# Altium PCB RevA2.PcbDoc (part 2 of 6) (continued)
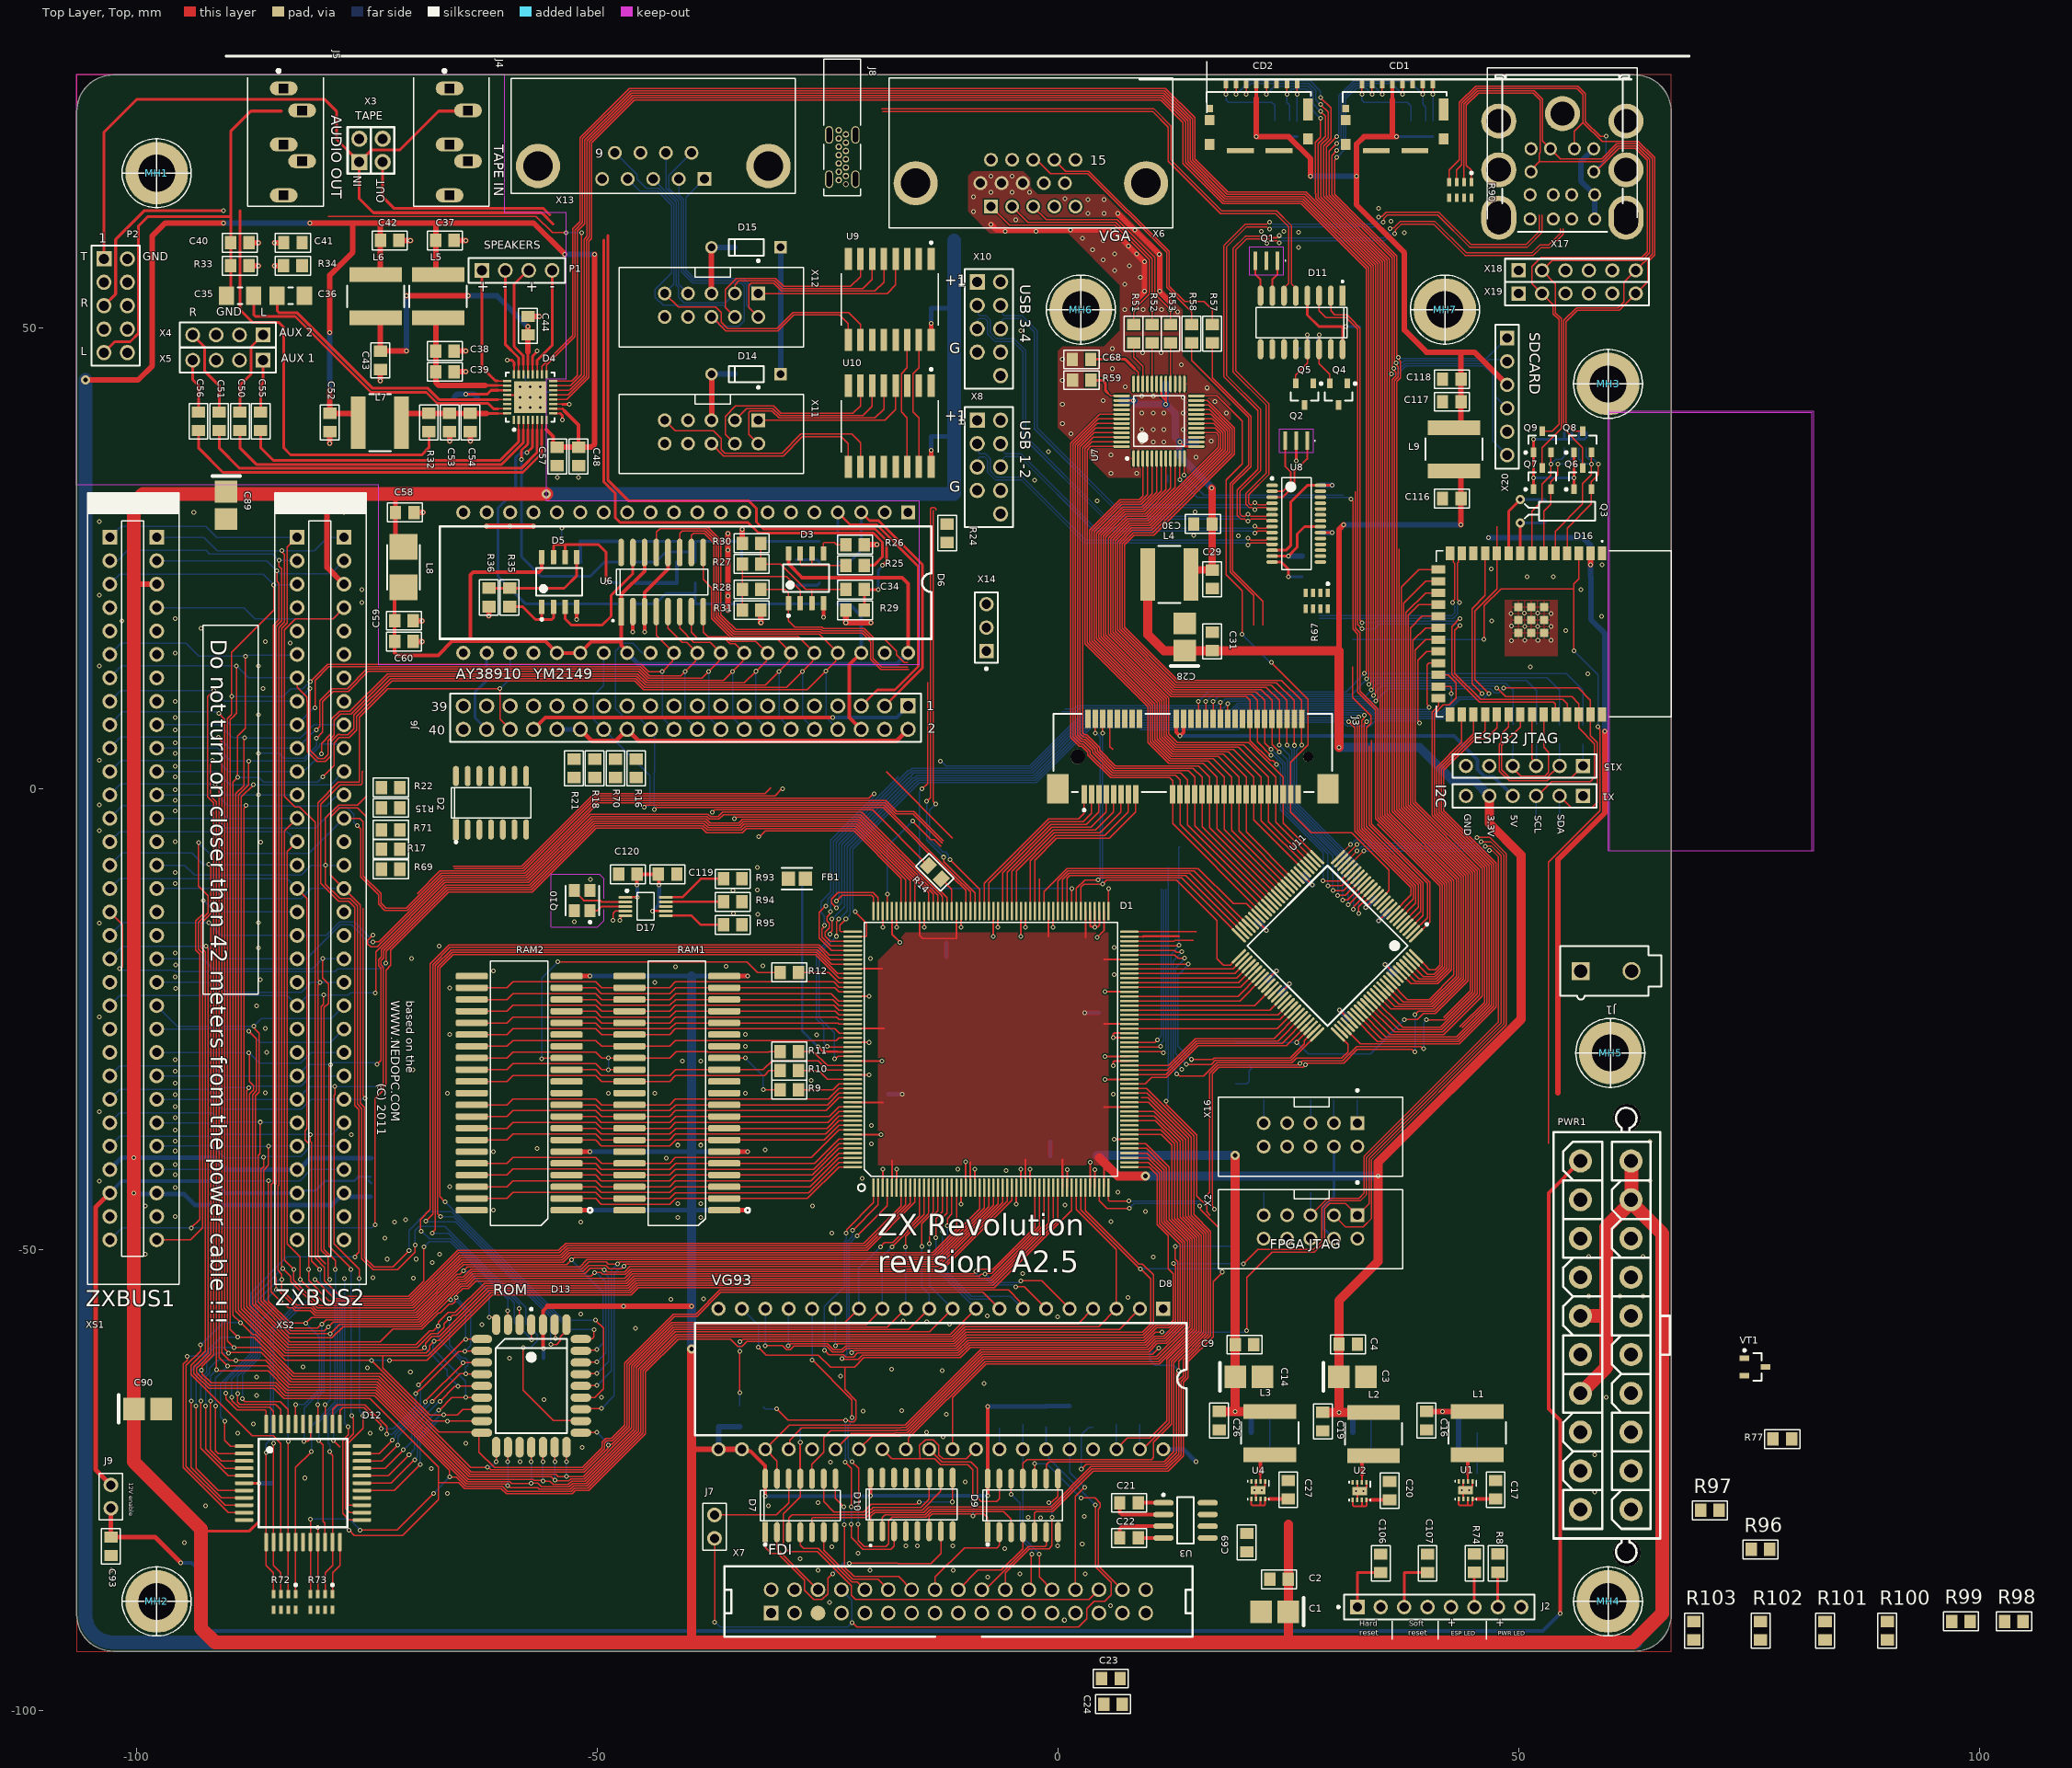
[diagram p0: Top Layer, Top view]
## Part data (continued)
VD1: "DIODE ARRAY SCHOTTKY 30V SOT23-3", Capacitance=10pF, Case/Package=SOT-23, Manufacturer="ON Semiconductor / Fairchild", Category=Diode, Manufacturer Part Number=BAT54C
VT1: Case/Package=SOT-23, Category=Transistor
X1 X15 X18 X19: library part CMP-1024-00383-1, "0.025\" SQ Post Header, Through-hole, Vertical, -55 to 125 degC, 2.54 mm Pitch, 6-Pin, Male, RoHS", Manufacturer=Samtec, Manufacturer Part Number=TSW-106-07-G-S, Case/Package=PLS-6, Category=Connector, PackageDescription=".025[0.64] SQ. Post Terminal Strip Assembly", PartNumber=TSW-106-07-G-S, Pitch="2.54 mm"
X2 X11 X12 X16: "Male Header, Pitch 2.54 mm, 2 x 5 Postion, Height 9.91 mm, Tail Length 2.84 mm, -55 to 105 degC, RoHS, Bulk", Manufacturer=3M, Manufacturer Part Number=N2510-6002RB, PartNumber=N2510, Case/Package=IDC-10, Category=Connector, Pitch=2.54mm
X3: Case/Package=PLD-4, Category=Connector
X6: "Female High Density PCB Connector with Hex Screw WR-DSUB, Angled, 15 pins", Case/Package=DSUB-15, Manufacturer="Wurth Electronics", Manufacturer Part Number=618015330923, Category=Connector
X7: Case/Package=IDC-34, Category=Connector
X8 X10: "THT Vertical Pin Header WR-PHD, Pitch 2.54 mm, Dual Row, 10 pins", Contact Resistance=20mOhm, Manufacturer="Wurth Elektronik", Manufacturer Part Number=61301021121, Operating Temperature=-40to105degC, Rated Current=3A, Withstanding Voltage=500VAC, Working Voltage=250VAC, Datasheet URL=https://katalog.we-online.de/em/datasheet/6130xx21121.pdf, Gender=Male, Manufacturer URL=http://www.we-online.de, Mounting Technology=THT, Orientation=Vertical, Package Reference=61301021121, Packaging=Bag, Part Number=61301021121, Pin Number=10, Pitch=2.54mm, Publisher=WurthElektronik, Row Number=Dual
X13: library part DSUB-9_1, "Male PCB Connector with Hex Screw WR-DSUB, 8.08 mm, Angled, 9 pins", Manufacturer="Wurth Electronics", Manufacturer Part Number=618009231221, Case/Package=DSUB-9, Category=Connector
X14: "Male Header, Pitch 2.54 mm, 1 x 3 Position, Height 8.38 mm, Tail Length 3.18 mm, RoHS, Bulk", Manufacturer=Molex, Manufacturer Part Number=22-28-4033, Case/Package=PLS-3, Category=Connector, PackageDescription="Male Header, Pitch 2.54 mm, 1 x 3 Position, Height 8.38 mm, Tail Length 3.18 mm"
X17: "USB 2.0 Type A Receptacle WR-COM, Mini DIN 6 Stacked Horizontal, THT", Contact Resistance=20mOhm, Manufacturer="Wurth Electronics", Manufacturer Part Number=61400826021, Operating Temperature=-40to105degC, Rated Current=1.5A, Working Voltage=30VAC, Connector Type=USB2.0TypeA, Datasheet URL=https://katalog.we-online.de/em/datasheet/61400826021.pdf, Gender=Receptacle, Manufacturer URL=http://www.we-online.de, Mounting Technology=THT, Orientation=StackedHorizontal, Package Reference=61400826021, Packaging=Tray, Part Number=61400826021, Publisher=WurthElektronik
X20: "0.025\" SQ Post Header, Through-hole, Vertical, -55 to 125 degC, 2.54 mm Pitch, 6-Pin, Male, RoHS", Manufacturer=Samtec, Manufacturer Part Number=TSW-106-07-G-S, Case/Package=PLS-6, Category=Connector, PackageDescription=".025[0.64] SQ. Post Terminal Strip Assembly", PartNumber=TSW-106-07-G-S, Pitch="2.54 mm"
XS1 XS2: Case/Package=SL62, Category=Connector

## Via types
v1: diameter 0.5, hole 0.3, Top Layer, Top to Bottom Layer, Bottom, tented both sides, 925 vias
v2: diameter 0.5, hole 0.2, Top Layer, Top to Bottom Layer, Bottom, 6 vias
v3: diameter 1, hole 0.5, Top Layer, Top to Bottom Layer, Bottom, tented both sides, 4 vias
v4: diameter 1, hole 0.5, Top Layer, Top to Bottom Layer, Bottom, 1 vias

## Nets (pads, with @x,y where several pads share a name; then routed paths per layer and width w, separated by ;. In a path a pad name is that pad's centre, name@x,y a point inside that pad or via, vN(x,y) a via of type N, cw(c..) or ccw(c..) an arc to the next point about the centre after c; other vN are vias at no path point)
2V5: C9.1 C10.1 C11.1 C12.1 C13.1 C14.1 C25.2 C26.1 D1.21 D1.33 D1.48 D1.72 D1.77 D1.91 D1.106 D1.124 D1.130 D1.152 D1.185 D1.201 L3.2 R7.2 | length 86.4
  Top Layer, Top w0.2: D1.201@-22.25,-37.5 v1(-19.2,-37.5) ; D1.185@-22.25,-29.5 v1(-19.1,-29.5) ; D1.152@-18,-13.25 -18,-15.75 v1(-17.125,-16.625) ; D1.21@-10,-43.25 v1(-10,-40.459) ; v1(-7,-16) D1.130@-7,-13.25 ; D1.33@-4,-43.25 v1(-4,-41.25) ; v1(-4,-16) D1.124@-4,-13.25 ; D1.48@3.5,-43.25 v1(3.5,-40.5) ; v1(4.246,-16.113) 5,-15.359 D1.106@5,-13.25 ; v1(5.1,-31.5) D1.72@7.75,-31.5 ; v1(5.1,-29) D1.77@7.75,-29 ; v1(5.1,-22) D1.91@7.75,-22
  Top Layer, Top w1: C26.1@17.5,-67.525 v1(19.25,-67.525) ; v4(19.25,-39.75) C14.1@19.25,-63.775 v1(19.25,-67.525) ; L3.2@23,-67.525 v1(19.25,-67.525)
  Bottom Layer, Bottom w0.6: v1(19.25,-67.525) R7.2@21,-67.525 21,-68.75 C25.2@21,-69.775
  Bottom Layer, Bottom w1: 4.25,-39.75 v4(19.25,-39.75)
3V3: C3.1 C4.1 C5.1 C6.1 C7.1 C8.1 C18.2 C19.1 C28.1 C31.1 C37.1 C42.1 C48.1 C52.1 C57.1 C108.1 C109.1 C110.1 C111.1 C112.1 C113.1 C114.1 C115.1 C116.1 D1.5 D1.22 D1.34 D1.42 D1.51 D1.66 D1.84 D1.98 D1.110 D1.118 D1.138 D1.146 D1.165 D1.178 D1.194 D4.8 D4.10 FB1.1 J3.2 L2.2 L4.1 L5.1 L6.1 L7.1 L9.1 PWR1.1 PWR1.2 PWR1.11 Q6.1 Q7.1 Q8.1 Q9.1 R4.2 R8.2 R13.2 R19.1 R20.1 R82.1 R83.1 R87.6 R87.7 R87.8 R89.1 R89.2 R89.3 R89.4 R98.1 R99.1 R100.1 R101.1 R102.1 R103.1 U11.9 U11.13 U11.31 U11.45 U11.59 U11.63 U11.80 U11.94 X1.5 X2.4 X16.4 | length 765.8
  Top Layer, Top w0.127: -15,-15.875 -14.675,-16.2 -11,-16.2 ; 5.1,-40.5 5.1,-40.4
  Top Layer, Top w0.2: -55.5,39 D4.8@-55.5,40.025 ; D4.10@-54.775,41.25 -53.75,41.25 ; D1.194@-22.25,-34 -19,-34 ; D1.178@-22.25,-26 -18.9,-26 ; D1.165@-22.25,-19.5 -19.1,-19.5 ; D1.5@-18,-43.25 -18,-40.3 ; -15,-15.875 D1.146@-15,-13.25 ; -11,-16.2 D1.138@-11,-13.25 ; D1.22@-9.5,-43.25 -9.5,-40.5 ; D1.34@-3.5,-43.25 -3.5,-40.2 ; -1,-16 D1.118@-1,-13.25 ; D1.42@0.5,-43.25 0.5,-40.2 ; 3,-16.1 D1.110@3,-13.25 ; D1.51@4.997,-43.247 4.997,-40.503 5,-40.5 ; 5,-34.5 D1.66@7.75,-34.5 ; 5,-25.5 D1.84@7.75,-25.5 ; 5,-18.5 D1.98@7.75,-18.5 ; U11.45@21.414,-14.116 v1(22.652,-15.353) ; U11.59@22.475,-20.975 v1(23.712,-19.737) ; U11.63@23.889,-22.389 v1(25.127,-21.152) ; U11.31@26.364,-9.166 v1(27.601,-10.404) ; v1(30.571,-23.98) U11.80@31.809,-25.218 ; v1(33.4,-12.879) U11.13@34.637,-11.641 ; v1(34.814,-14.293) U11.9@36.051,-13.055 ; v1(35.521,-19.03) U11.94@36.758,-20.268
  Top Layer, Top w0.3: -53.75,41.25 -53.5,41 ; Q7.1@51.6,32.5 v1(51.6,33.75) Q9.1@51.6,36.5 v1(51.6,37.95) ; Q6.1@56,32.5 v1(56,33.75) Q8.1@56,36.5
  Top Layer, Top w0.4: -55.5,39 -55.5,38.969 -54.754,38.223 C57.1@-54.754,37.423 ; -53.5,41 -52,39.5 C48.1@-52,37.074
  Top Layer, Top w0.6: v3(-105.5,44.369) -100.877,44.369 -99.793,44.369 -98.25,45.913 -98.25,60 -96.843,61.407 v1(-90.545,61.407) ; v1(-81.154,61.404) -76.5,61.404 ; v1(-79,43.25) C52.1@-79,40.75 -76.75,40.75 L7.1@-75.75,39.75 ; v1(-79,49.5) -79,55.725 -76.5,58.225 -76.5,61.404 ; L6.1@-73.5,55.65 C42.1@-73.5,59.5 -73.5,61.404 ; L5.1@-67.5,55.65 C37.1@-67.5,59.5 -67.5,61.404 ; C57.1@-54.325,37.074 C48.1@-52,37.074 -50.601,37.074 -50.25,37.426 v1(-50.25,58.012) ; v1(-53.5,58) -56.904,61.404 -67.5,61.404 ; 30.5,15 30.5,28.151 v1(31,28.651) ; L9.1@43,34.5 43.25,34.5 43.75,34 v1(43.749,28.67) ; -76.5,61.404 -73.5,61.404 ; -73.5,61.404 -67.5,61.404
  Top Layer, Top w1: 4.5,-40 5,-40.5 6.5,-42 v3(9.5,-42) ; L4.1@9.75,23.75 L4.1@9.75,23.25 9.75,16.75 11.5,15 C28.1@13.75,15 C31.1@16.75,15 30.5,15 v1(30.5,4.5) ; C19.1@28.75,-67.625 v1(30.5,-67.625) ; C4.1@30.5,-60.525 C3.1@30.5,-63.775 v1(30.5,-67.625) ; C4.1@30.5,-60.25 30.5,-55.5 34.75,-51.25 34.75,-40.5 50.25,-25 50.25,-7.163 46.822,-3.735 X1.5@46.822,-0.75 ; L2.2@34,-67.625 v1(30.5,-67.625)
  Bottom Layer, Bottom w0.3: X2.4@29.96,-48.79 28.75,-47.58 28.75,-45.409 29.96,-44.199 29.96,-41.75 X16.4@29.96,-38.79 ; v1(51.6,33.75) v1(56,33.75) ; v1(51.6,37.95) 54.95,37.95 ; R89.1@54.95,38.7 54.95,37.95 ; R89.2@55.75,38.7 55.75,37.95 ; R89.3@56.55,38.7 56.55,37.95 ; R89.4@57.35,38.7 57.35,38.126 57.174,37.95 56.55,37.95 ; 54.95,37.95 55.75,37.95 ; 55.75,37.95 56.55,37.95
  Bottom Layer, Bottom w0.5: C5.1@-18.4,-33.1 v1(-16.9,-33.1) ; -12.1,-18.2 C6.1@-12.1,-16.7 ; C8.1@-0.8,-39.8 -0.8,-38.3 ; v1(2.9,-24.3) C7.1@4.4,-24.3
  Bottom Layer, Bottom w0.6: v1(-90.545,61.407) -90.542,61.404 v1(-81.154,61.404) ; v1(-79,43.25) v1(-79,49.5) ; v1(-53.5,58) -50.262,58 v1(-50.25,58.012) ; C114.1@21.632,-14.333 v1(22.652,-15.353) ; C109.1@22.692,-20.757 v1(23.712,-19.737) ; C115.1@24.107,-22.172 v1(25.127,-21.152) ; C111.1@26.581,-9.384 v1(27.601,-10.404) ; v1(30.5,-67.625) R4.2@32,-67.625 C18.2@32,-69.775 ; v1(30.571,-23.98) C108.1@31.591,-25 ; v1(31,28.651) 43.731,28.651 v1(43.749,28.67) ; v1(33.4,-12.879) C112.1@34.42,-11.859 ; v1(34.814,-14.293) C113.1@35.834,-13.273 ; v1(35.521,-19.03) C110.1@36.541,-20.05
  Bottom Layer, Bottom w1: v3(9.5,-42) R20.1@22.34,-42 R19.1@27.42,-42 29.96,-42 v1(34.75,-42) ; v1(30.5,4.5) 39.25,4.5 42.847,0.903 45.169,0.903 X1.5@46.822,-0.75
  Bottom Layer, Bottom w1.5: v3@-105.5,44.366 -105.5,-89.678 ccw(c-104,-89.678) -105.487,-89.874 -105.461,-90.072 ccw(c-103.974,-89.875) -105.423,-90.262 -105.371,-90.457 ccw(c-103.923,-90.066) -105.31,-90.637 -105.232,-90.825 ccw(c-103.847,-90.249) -105.147,-90.997 -105.046,-91.172 ccw(c-103.748,-90.42) -104.94,-91.332 -104.816,-91.492 ccw(c-103.627,-90.577) -104.69,-91.636 -104.546,-91.78 ccw(c-103.487,-90.717) -104.402,-91.906 -104.242,-92.029 ccw(c-103.33,-90.838) -104.083,-92.136 -103.907,-92.237 ccw(c-103.159,-90.937) -103.735,-92.322 -103.547,-92.4 ccw(c-102.976,-91.013) -103.367,-92.461 -103.17,-92.514 ccw(c-102.785,-91.064) -102.982,-92.551 ; -102.592,-92.59 62.689,-92.59 ; PWR1.1@56.746,-78.113 PWR1.1@56.796,-78.163 ; PWR1.11@62.206,-78.434 PWR1.11@62.206,-78.163
3V3_VDAC: C29.1 C30.2 C65.1 C66.1 C67.1 L4.2 U7.13 U7.29 U7.30 U7.38 | length 38.8
  Top Layer, Top w0.25: U7.38@6.925,42.145 v1(8.225,42.145) ; U7.30@11.225,43.945 11.225,42.645 11.725,42.145 ; v1(11.725,41.75) 11.725,42.145 ; U7.29@11.725,43.945 11.725,42.145 ; v1(13.225,37.645) 13.725,37.145 U7.13@15.025,37.145
  Top Layer, Top w0.8: L4.2@14.45,23.75 C29.1@16.75,23.75 16.75,32.608 v1(16.703,32.655)
  Bottom Layer, Bottom w0.8: C66.1@6.925,42.145 v1(8.225,42.145) 8.62,41.75 v1(11.725,41.75) ; C65.1@11.725,43.945 v1(11.725,41.75) ; C67.1@15.025,37.645 v1(13.225,37.645) ; v1(16.703,32.655) 16.37,32.988 13.225,36.133 v1(13.225,37.645) ; v1(11.725,41.75) 12.75,40.725 12.75,38.12 v1(13.225,37.645)
5V0: C1.1 C2.1 C20.1 C23.1 C27.1 C33.1 C58.1 C70.2 C71.1 C72.1 C73.1 C74.1 C75.1 C76.1 C77.1 C78.1 C82.1 C83.1 C84.1 C85.1 C86.1 C89.1 C90.1 C91.1 C92.1 C95.1 C96.1 C97.1 C99.1 C100.1 D2.14 D7.14 D8.21 D8.22 D9.14 D10.16 D12.6 D13.32 D14.1 D15.1 J3.18 J3.20 L8.1 PWR1.4 PWR1.6 PWR1.19 PWR1.20 R21.2 R60.2 R61.2 R62.2 R63.2 R64.5 R64.6 R64.7 R64.8 R65.1 R67.5 R67.6 R67.7 R72.5 R72.6 R72.7 R72.8 R73.5 R73.6 R73.7 R73.8 R90.5 R90.6 R90.7 R90.8 RAM1.1 RAM1.6 RAM1.21 RAM2.1 RAM2.6 RAM2.21 U2.5 U2.7 U2.8 U3.5 U4.5 U4.7 U4.8 U8.20 U9.16 U10.1 U10.16 VD1.2 X1.4 X8.1 X8.2 X10.1 X10.2 X17.4 X17.7 X17.11 X18.3 X19.3 XS1.A3 XS1.A29 XS1.B28 XS2.A3 XS2.A29 XS2.B28 | length 902.3
  Top Layer, Top w0.2: U4.5@21,-77.025 21,-77.608 21.088,-77.696 22,-77.696 ; U4.7@22,-77.025 22,-77.696 ; 23,-77.025 U4.8@22.5,-77.025 22.5,-77.608 22.412,-77.696 22,-77.696 ; U2.5@32,-77.125 32,-77.708 32.088,-77.796 33,-77.796 ; U2.7@33,-77.125 33,-77.796 ; 34,-77.125 U2.8@33.5,-77.125 33.5,-77.708 33.412,-77.796 33,-77.796
  Top Layer, Top w0.254: v1@-55.834,-60.681 v1(-55.807,-60.707)
  Top Layer, Top w0.3: -93,-80.5 -87.722,-80.5 -86.7,-79.478 v1(-86.7,-75.3) D12.6@-88.3,-75.3 ; U8.20@28.5,27.811 v1(29.75,27.811)
  Top Layer, Top w0.4: D13.32@-55.86,-58.11 -55.86,-56.618 -55.355,-56.113 ; v1@-55.834,-60.681 D13.32@-55.834,-58.129 ; v1(-47.1,-56.1) v1@-47.086,-56.113 ; D8.22@-34.28,-71.63 -34.075,-71.835 -33.359,-71.835 -31.75,-73.444 D7.14@-31.75,-74.83 v1@-31.75,-76.691 ; v1@-20.309,-76.694 D10.16@-20.309,-74.806 ; v1@-7.61,-76.637 D9.14@-7.61,-74.82 v1(-7.61,-67.007) ; J3.18@12.85,7.6 12.85,6.15 v1(13.25,5.75) 13.65,6.15 J3.20@13.65,7.6 ; 23,-77.025 C27.1@25,-77.025 ; 34,-77.125 C20.1@36,-77.125
  Top Layer, Top w0.5: L8.1@-71.86,25.75 C58.1@-71.86,30 -71.86,32 ; RAM2.1@-53.3,-45.7 v1(-50.75,-45.7) ; RAM2.6@-53.3,-39.35 v1(-50.75,-39.35) ; RAM2.21@-53.3,-20.3 v1(-50.75,-20.3) ; RAM1.1@-36.2,-45.7 v1(-33.65,-45.7) ; RAM1.6@-36.2,-39.35 v1(-33.65,-39.35) ; RAM1.21@-36.2,-20.3 v1(-33.65,-20.3) ; D10.16@-20.31,-74.805 D10.16@-20.309,-74.806 ; v1(-20.308,-76.694) v1@-20.309,-76.694 ; U10.16@-13.75,34.95 v1(-13.75,36.75) ; U9.16@-13.75,48.7 v1(-13.75,50.5) ; v1@-7.612,-67.005 v1(-7.61,-67.007)
  Top Layer, Top w0.6: -100.25,22.25 -100.21,22.21 XS1.A3@-97.78,22.21 ; -79.291,32.25 -79.291,32 -79.291,24.041 XS2.A3@-77.46,22.21 ; -55.355,-56.113 -47.113,-56.113 v1(-47.1,-56.1) ; v1@-47.086,-56.113 v1(-39.754,-56.113) ; -39.75,-71.63 D8.21@-36.82,-71.63 ; D8.21@-36.787,-71.63 D8.22@-34.28,-71.63
  Top Layer, Top w1: v3(-39.761,-60.75) -39.75,-60.761 -39.75,-71.63 -39.75,-92.59 ; 25,-92.59 C1.1@25,-89.25 C2.1@25,-85.75 25,-79.75
  Top Layer, Top w1.5: XS1.A3@-97.747,22.178 XS1.A3@-97.734,22.191 ; v3(-55.5,32) -71.86,32 -79.291,32 -90,32 C89.1@-90.25,32.25 -90.5,32 -99.25,32 -100.25,31 -100.25,22.25 v1(-100.25,-40) v1(-100.25,-43.83) C90.1@-100.25,-67.25 -100.25,-73 -93,-80.25 -93,-80.5 -93,-91.028 -91.438,-92.59 -39.75,-92.59 25,-92.59 62.456,-92.59 65.6,-89.446 65.6,-48.228 62.256,-44.884 PWR1.19@62.256,-44.613 ; PWR1.4@56.706,-65.563 59.5,-62.769 59.5,-57.163 ; PWR1.6@56.706,-57.163 59.5,-57.163 ; PWR1.20@62.256,-40.363 62.256,-44.513 PWR1.19@62.206,-44.563 62.206,-44.834 59.5,-47.54 59.5,-57.163
  Bottom Layer, Bottom w0.4: C97.1@-55.807,-61.759 C97.1@-55.807,-61.66 v1(-55.807,-60.707) ; v1(-31.74,-76.701) -31.737,-76.698 -20.311,-76.698 v1(-20.308,-76.694) -20.286,-76.672 -7.619,-76.672 v1(-7.597,-76.65) -7.597,-74.428 C72.1@-7.658,-74.366 ; v1@-20.308,-76.667 -20.308,-74.58 C70.2@-20.151,-74.422 ; v1(13.25,5.75) 42.984,5.75 45.552,3.182 45.552,2.108 46.335,1.325 47.287,1.325 X1.4@49.362,-0.75
  Bottom Layer, Bottom w0.5: XS1.B28@-102.86,-41.29 -101.57,-40 v1(-100.25,-40) -91.575,-40 -90.285,-41.29 XS2.B28@-82.54,-41.29 -82.344,-41.29 -81.094,-40.04 C92.1@-74.583,-40.04 C92.1@-74.484,-40.04 ; v1(-100.25,-43.83) -100.223,-43.83 -100.133,-43.92 -97.87,-43.92 XS1.A29@-97.78,-43.83 -97.69,-43.92 -94.838,-43.92 -93.638,-45.12 -78.748,-45.12 -77.46,-43.831 XS2.A29@-77.46,-43.83 -77.162,-43.83 -76.742,-44.25 C91.1@-74.583,-44.25 ; v1(-86.7,-75.3) C96.1@-85.399,-75.3 C96.1@-85.3,-75.3 ; v1(-50.75,-45.7) C75.1@-48.75,-45.7 -39.754,-45.7 C76.1@-35.75,-45.7 v1(-33.65,-45.7) ; v1(-50.75,-39.35) C74.1@-48.75,-39.35 -39.754,-39.35 C77.1@-35.75,-39.35 v1(-33.65,-39.35) ; v1(-50.75,-20.3) C73.1@-48.75,-20.3 -39.75,-20.3 C78.1@-35.75,-20.3 v1(-33.65,-20.3) ; v1(-13.75,36.75) C100.1@-13.75,38.243 -11.492,38.243 -11.25,38.485 ; v1(-13.75,50.5) C99.1@-13.75,52.155 -11.345,52.155 -11.25,52.25 ; v1(-7.61,-67.007) -7.608,-67.006 -6.341,-67.006 -6.317,-66.981 R60.2@-1.25,-66.981 ; R60.2@-1.25,-66.95 R62.2@1.28,-66.95
  Bottom Layer, Bottom w0.6: v1(-47.1,-56.1) C95.1@-45.8,-56.1 ; D8.21@-36.82,-71.63 -36.82,-69.2 -34.5,-69.2 ; D14.1@-30.08,45 D15.1@-30.08,58.75 ; C86.1@28.5,27.811 v1(29.75,27.811) ; X17.4@58.15,69.45 56.742,68.042 56.742,65.958 X17.11@58.25,64.45 X17.7@58.25,61.83
  Bottom Layer, Bottom w1: v3(-39.761,-60.75) -39.754,-60.743 v1(-39.754,-56.113) -39.754,-45.7 -39.754,-39.35 -39.754,-20.304 -39.75,-20.3
  Bottom Layer, Bottom w1.5: v3(-55.5,32) -11.25,32 -11.25,38.485 -11.25,52.25 -11.25,59.5
5V0_STBY: C17.1 PWR1.9 U1.5 U1.7 U1.8 | length 5.9
  Top Layer, Top w0.2: U1.5@43.5,-77.025 43.5,-77.608 43.588,-77.696 44.5,-77.696 ; U1.7@44.5,-77.025 44.5,-77.696 ; 45.5,-77.025 U1.8@45,-77.025 45,-77.608 44.912,-77.696 44.5,-77.696
  Top Layer, Top w0.4: 45.5,-77.025 C17.1@47.5,-77.025
/HARD_RES_1: C106.2 D16.3 J2.1 Q4.3 R80.8 | length 102.5
  Top Layer, Top w0.127: v1(46.25,16.25) 46.25,19.878 48.086,21.714 56,21.714 ; 53.25,-38.47 53.25,-7.95 58.837,-2.363 58.837,6.437 58.612,6.662 v1(58.612,6.75) ; v1(56,15) 56,21.714 ; D16.3@56.532,25.575 56.532,22.782 56,22.25 56,21.714
  Top Layer, Top w0.3: J2.1@32.5,-88.75 32.5,-85 C106.2@35.04,-85
  Bottom Layer, Bottom w0.127: 31.984,16.22 46.22,16.22 v1(46.25,16.25) ; v1(56,15) 58.612,12.388 v1(58.612,6.75)
/SOFT_RES_1: C107.2 D16.27 J2.3 Q5.3 R80.7 | length 6.3
  Top Layer, Top w0.3: J2.3@37.58,-88.75 37.58,-85 C107.2@40.12,-85
A0: D1.44 D12.27 D13.12 XS1.A9 XS2.A9 | length 214.9
  Top Layer, Top w0.127: v1(-88.25,5.568) -88.335,5.482 -88.335,0.349 -89.2,-0.516 -89.2,-56.642 -83.842,-62 v1(-74.489,-62) -67.919,-68.57 D13.12@-62.505,-68.57 ; D12.27@-75.5,-76.1 -72.01,-76.1 v1(-69.2,-73.29) ; v1(-72.5,-62) -68.467,-62 -61.362,-54.895 -46.284,-54.895 -45.497,-54.108 -6.908,-54.108 1.5,-45.7 D1.44@1.5,-43.25
  Bottom Layer, Bottom w0.127: XS1.A9@-97.78,6.97 -90.983,6.97 -89.581,5.568 v1(-88.25,5.568) -88.212,5.53 -82.193,5.53 -80.752,6.97 XS2.A9@-77.46,6.97 ; v1(-74.489,-62) v1(-72.5,-62) ; v1(-69.2,-73.29) -69.2,-71.216 -69.2,-70.501 -67.269,-68.57 v1(-66.25,-68.57)
A1: D1.41 D12.28 D13.11 XS1.A10 XS2.A10 | length 210.2
  Top Layer, Top w0.127: v1(-87.81,3.011) -87.81,0.449 -88.9,-0.64 -88.9,-56.518 -83.957,-61.461 -73.25,-61.461 ; D12.28@-75.5,-75.3 -72.339,-75.3 v1(-69.8,-72.761) ; D13.11@-62.505,-67.3 -64.55,-67.3 -65.15,-67.9 v1(-66.651,-67.9) -68.165,-67.9 -73.25,-62.815 -73.25,-61.461 ; D1.41@0,-43.25 0,-46.841 -7.013,-53.854 -45.602,-53.854 -46.389,-54.641 -61.532,-54.641 -68.351,-61.461 -73.25,-61.461
  Bottom Layer, Bottom w0.127: XS1.A10@-97.78,4.43 -91.161,4.43 -89.741,3.011 v1(-87.81,3.011) -82.135,3.011 -81.71,3.011 -80.15,4.571 -80.15,4.788 -80.062,4.876 -78.273,4.876 -77.827,4.43 XS2.A10@-77.46,4.43 ; v1(-69.8,-72.761) -69.8,-72.748 -69.5,-72.448 -69.5,-71.341 -69.5,-70.377 -67.073,-67.95 -66.701,-67.95 v1(-66.651,-67.9)
A2: D1.40 D12.29 D13.10 XS1.A11 XS2.A11 | length 204
  Top Layer, Top w0.127: v1(-87.285,0.45) -88.6,-0.865 -88.6,-56.394 -83.833,-61.161 -68.546,-61.161 -68.147,-60.762 -68.147,-60.373 v1@-67.602,-59.827 ; D12.29@-75.5,-74.5 -72.668,-74.5 v1(-70.4,-72.231) ; v1(-67.672,-59.898) v1@-67.602,-59.827 ; v1(-67.187,-67.375) -67.081,-67.375 -65.736,-66.03 v1@-64.25,-66.03 ; v1(-64.25,-66) -64.235,-66.015 -62.52,-66.015 D13.10@-62.505,-66.03 ; D1.40@-0.5,-43.25 -0.5,-46.981 -7.119,-53.6 -45.707,-53.6 -46.494,-54.387 -61.702,-54.387 -67.147,-59.833 -67.597,-59.833 v1@-67.602,-59.827
  Bottom Layer, Bottom w0.127: XS1.A11@-97.78,1.89 -91.248,1.89 -89.808,0.45 v1(-87.285,0.45) ; v1@-87.261,0.45 -78.9,0.45 XS2.A11@-77.46,1.89 ; v1(-70.4,-72.231) -69.8,-71.631 -69.8,-69.988 v1(-67.187,-67.375) ; v1(-67.672,-59.898) -67.758,-59.984 -67.758,-60.406 -67.813,-60.46 -67.813,-60.719 -64.25,-64.282 v1(-64.25,-66)
A3: D1.39 D12.30 D13.9 XS1.A12 XS2.A12 | length 198
  Top Layer, Top w0.127: v1(-88.075,-1.767) -88.075,-1.855 -88.3,-2.08 -88.3,-56.27 -83.709,-60.861 -69.027,-60.861 -68.752,-60.586 v1(-68.714,-60.586) -68.628,-60.5 -68.628,-60.111 -67.89,-59.373 -67.112,-59.373 -61.872,-54.133 -46.6,-54.133 -45.812,-53.346 -7.224,-53.346 -1,-47.122 D1.39@-1,-43.25 ; D12.30@-75.5,-73.7 -72.997,-73.7 v1(-71,-71.702) ; v1(-67.056,-66.458) -65.441,-64.843 -65.125,-64.843 v1(-65.062,-64.78) ; v1@-65.051,-64.77 D13.9@-62.609,-64.77
  Bottom Layer, Bottom w0.127: XS1.A12@-97.78,-0.65 -91.204,-0.65 -90.039,-1.815 -88.122,-1.815 v1(-88.075,-1.767) ; v1@-88.075,-1.839 -79.355,-1.839 -78.387,-0.872 -77.682,-0.872 XS2.A12@-77.46,-0.65 ; v1(-71,-71.702) -70.1,-70.802 -70.1,-69.417 -67.666,-66.983 ; v1(-68.714,-60.586) -66.236,-63.063 -66.236,-63.606 v1(-65.062,-64.78) ; -67.664,-66.983 -67.139,-66.458 v1(-67.056,-66.458)
A4: D1.38 D12.31 D13.8 XS1.A24 XS2.A24 | length 167.6
  Top Layer, Top w0.127: v1(-87.775,-32.407) -87.775,-32.495 -88,-32.72 -88,-56.145 -83.584,-60.561 -69.502,-60.561 -68.014,-59.073 -67.236,-59.073 -66.601,-58.437 -66.601,-58.048 -65.652,-57.1 -65.263,-57.1 -62.043,-53.879 -46.705,-53.879 -45.918,-53.092 -7.329,-53.092 -1.5,-47.263 D1.38@-1.5,-43.25 ; D12.31@-75.5,-72.9 -73.326,-72.9 v1(-71.6,-71.173) ; v1(-67.882,-66.458) -64.857,-63.434 v1(-64.25,-63.434) ; v1@-64.209,-63.43 -64.177,-63.462 -62.783,-63.462 D13.8@-62.77,-63.475
  Bottom Layer, Bottom w0.127: XS1.A24@-97.78,-31.13 -91.973,-31.13 -90.695,-32.407 -87.653,-32.407 -87.502,-32.256 -82.146,-32.256 -81.02,-31.13 XS2.A24@-77.46,-31.13 ; v1(-71.6,-71.173) -71.6,-70.188 -67.882,-66.47 v1(-67.882,-66.458) ; v1(-66.026,-57.474) -66.026,-60.339 -64.637,-61.728 -64.319,-61.728 -64.012,-62.035 -64.012,-62.511 -64.25,-62.75 v1(-64.25,-63.434)
A5: D1.37 D8.5 D12.32 D13.7 XS1.A23 XS2.A23 | length 179.8
  Top Layer, Top w0.127: v1(-87.775,-28.603) -87.7,-28.678 -87.7,-31.74 -87.25,-32.19 -87.25,-32.625 -87.557,-32.932 -87.7,-33.075 -87.7,-56.021 -83.46,-60.261 -69.629,-60.261 -68.141,-58.773 -67.749,-58.773 -67.219,-58.243 -67.219,-57.854 -66.165,-56.8 -65.387,-56.8 -62.213,-53.625 -46.81,-53.625 -46.023,-52.838 -8.518,-52.838 -8.341,-52.661 -7.932,-52.661 v1(-7.884,-52.613) -7.837,-52.567 -7.163,-52.567 -2,-47.404 D1.37@-2,-43.25 ; D12.32@-75.5,-72.1 -73.656,-72.1 v1(-72.2,-70.644) ; v1(-68.632,-66.478) -68.632,-66.413 -64.537,-62.318 v1(-64.537,-62.253) -64.52,-62.236 D13.7@-62.635,-62.236 ; v1(-4,-53.346) -1.763,-53.346 D8.5@1.28,-56.39
  Bottom Layer, Bottom w0.127: XS1.A23@-97.78,-28.59 -87.963,-28.59 v1@-87.862,-28.69 ; v1(-87.775,-28.603) v1@-87.862,-28.69 ; XS2.A23@-77.46,-28.59 -81.02,-28.59 -82.184,-29.754 -86.624,-29.754 -87.687,-28.69 v1@-87.862,-28.69 ; v1(-72.2,-70.644) -72.2,-70.631 -71.9,-70.331 -71.9,-70.064 -68.694,-66.858 -68.694,-66.54 v1(-68.632,-66.478) ; v1(-67.246,-58.27) -67.246,-59.543 v1(-64.537,-62.253) ; v1(-7.884,-52.613) -6.964,-53.533 -4.37,-53.533 -4.366,-53.536 -4.261,-53.536 -4.071,-53.346 v1(-4,-53.346)
A5V0: C59.1 C60.1 D3.8 D5.8 D6.25 D6.26 D6.28 D6.40 J6.2 J6.26 J6.30 J6.32 L8.2 U6.1 U6.14 | length 156.8
  Top Layer, Top w0.4: L8.2@-71.954,22.469 C59.1@-71.954,18.25 C60.1@-71.954,16 -71.954,14.793 -71.661,14.5 -67.25,14.5 -65.72,16.03 -55.62,16.03 D6.25@-54.35,14.76 D6.26@-51.81,14.76 -50.598,15.972 -47.38,15.972 ; -63.73,16.18 -63.73,23.207 -63.437,23.5 -56.293,23.5 -56,23.793 D5.8@-56,25.15 ; D6.28@-46.73,14.76 -46.73,14.915 -47.38,15.565 -47.38,15.972 ; U6.14@-44.84,25.645 -44.84,23.64 -47.372,21.108 -47.372,19.253 U6.1@-47.38,19.245 -47.38,15.972 ; D3.8@-29.23,25.55 -29.23,24.4 -27.74,22.91 -16.91,22.91 -16.25,22.25 D6.40@-16.25,14.76
  Top Layer, Top w0.5: J6.30@-51.81,6.46 -50.535,5.185 -48.005,5.185 J6.26@-46.73,6.46 -45.455,5.185 -17.525,5.185 J6.2@-16.25,6.46
  Bottom Layer, Bottom w0.5: J6.32@-54.35,6.46 J6.30@-51.81,6.46 ; D6.28@-46.73,14.76 -45.518,13.548 -17.462,13.548 D6.40@-16.25,14.76
A6: D1.36 D8.6 D12.34 D13.6 XS1.A22 XS2.A22 | length 186.6
  Top Layer, Top w0.127: v1(-87.774,-26.284) -86.95,-27.108 -86.95,-32.749 -87.383,-33.182 -87.383,-55.913 -83.336,-59.961 -73.525,-59.961 -72.164,-58.599 -68.984,-58.599 -67.206,-56.821 -66.998,-56.821 -66.07,-55.894 -65.686,-55.894 -65.415,-55.623 -65.415,-55.448 -65.415,-55.427 -65.276,-55.288 v1(-65.276,-55.187) ; D12.34@-77.9,-68.9 -77.9,-67.431 -77.569,-67.1 -75.311,-67.1 -73.427,-68.984 -73.427,-69.373 v1(-73.4,-69.4) ; v1(-69.684,-65.615) -69.238,-65.169 -69.169,-65.169 -65.027,-61.027 -64.366,-61.027 -64.304,-60.965 -62.52,-60.965 D13.6@-62.505,-60.95 ; v1@-65.32,-55.143 -65.239,-55.063 -65.239,-54.855 -64.583,-54.199 -63.978,-54.199 -63.151,-53.371 -46.915,-53.371 -46.128,-52.584 -9.141,-52.584 -8.887,-52.33 -8.861,-52.33 -8.619,-52.088 -7.043,-52.088 -2.5,-47.544 D1.36@-2.5,-43.25 ; v1(-4.562,-53.996) -3.653,-53.996 D8.6@-1.26,-56.39
  Bottom Layer, Bottom w0.127: XS1.A22@-97.78,-26.05 -88.087,-26.05 -87.853,-26.284 v1(-87.774,-26.284) -86.543,-27.515 -78.925,-27.515 XS2.A22@-77.46,-26.05 ; v1(-73.4,-69.4) -72.084,-69.4 -69.661,-66.977 -69.661,-65.638 v1(-69.684,-65.615) ; v1(-65.276,-55.187) -63.725,-56.738 -63.725,-60.386 v1(-64.319,-60.98) ; v1(-8.88,-52.33) -8.819,-52.391 -8.819,-52.639 -8.32,-53.138 -7.718,-53.138 -7.069,-53.787 -4.823,-53.787 -4.613,-53.996 v1(-4.562,-53.996)
A7: D1.31 D12.35 D13.5 XS1.A21 XS2.A21 | length 175
  Top Layer, Top w0.127: v1(-87.253,-25.745) -87.253,-25.867 -87.105,-26.015 -87.105,-26.04 -86.65,-26.494 -86.65,-32.873 -87.083,-33.307 -87.083,-55.854 -83.386,-59.551 -78.763,-59.551 -77.557,-58.345 -69.089,-58.345 -66.211,-55.467 -66.051,-55.467 -65.842,-55.258 -65.842,-55.098 -64.689,-53.945 -64.083,-53.945 -63.256,-53.117 -47.02,-53.117 -46.233,-52.33 -12.737,-52.33 -5,-44.593 D1.31@-5,-43.25 ; D12.35@-78.7,-68.9 -78.7,-67.295 -78.204,-66.8 -75.187,-66.8 -72.8,-69.187 v1(-72.8,-69.995) ; v1(-69.386,-64.644) -69.29,-64.644 -64.346,-59.7 v1(-64.25,-59.7) -64.24,-59.69 -62.515,-59.69 D13.5@-62.505,-59.68 ; v1@-66.027,-55.431 v1(-65.878,-55.431)
  Bottom Layer, Bottom w0.127: XS1.A21@-97.78,-23.51 -95.545,-25.745 v1(-87.253,-25.745) ; v1@-87.253,-25.677 -87.185,-25.677 -86.409,-24.902 -78.852,-24.902 XS2.A21@-77.46,-23.51 ; v1(-72.8,-69.995) -72.256,-69.995 -69.157,-66.897 -69.157,-64.995 -69.386,-64.766 v1(-69.386,-64.644) ; v1(-65.878,-55.431) -65.838,-55.431 -65.618,-55.651 -65.171,-55.651 -64.25,-56.572 v1(-64.25,-59.7)
A8: D1.30 D12.36 D13.27 XS1.B26 XS2.B26 | length 153.7
  Top Layer, Top w0.127: v1(-86.558,-36.132) -86.558,-39.561 -86.783,-39.786 -86.783,-55.665 -83.36,-59.088 v1(-78.955,-59.088) -77.958,-58.091 -69.195,-58.091 -64.794,-53.691 -64.189,-53.691 -63.361,-52.863 -50.644,-52.863 v1(-50.25,-52.47) -49.574,-52.47 -49.41,-52.633 -46.896,-52.633 -46.339,-52.076 -12.842,-52.076 -5.5,-44.734 D1.30@-5.5,-43.25 ; D12.36@-79.5,-68.9 v1(-79.5,-66.8) ; D13.27@-51.455,-62.23 -51.403,-62.178 -50.042,-62.178 v1(-50,-62.137)
  Bottom Layer, Bottom w0.127: XS1.B26@-103.116,-36.466 -101.785,-35.135 -91.696,-35.135 -90.698,-36.132 -86.733,-36.132 -86.695,-36.171 -82.579,-36.171 XS2.B26@-82.54,-36.21 ; v1(-79.5,-66.8) -78.955,-66.255 v1(-78.955,-59.088) ; v1(-50.25,-52.47) -50.179,-52.541 -49.972,-52.541 -49.027,-53.486 -49.027,-61.164 v1(-50,-62.137)